# Altium PCB TIDA-010933-RevA.PcbDoc (part 3 of 9)
Units mm, origin at the board's own origin, x right, y up, seen from the top; angles counter-clockwise.
Board outline 230 x 230 mm, 4 copper layers (Top Layer, Layer 1, Layer 2, Bottom Layer), stack 1.637 mm thick; 776 components, 394 nets, 2295 pads, 2783 vias.
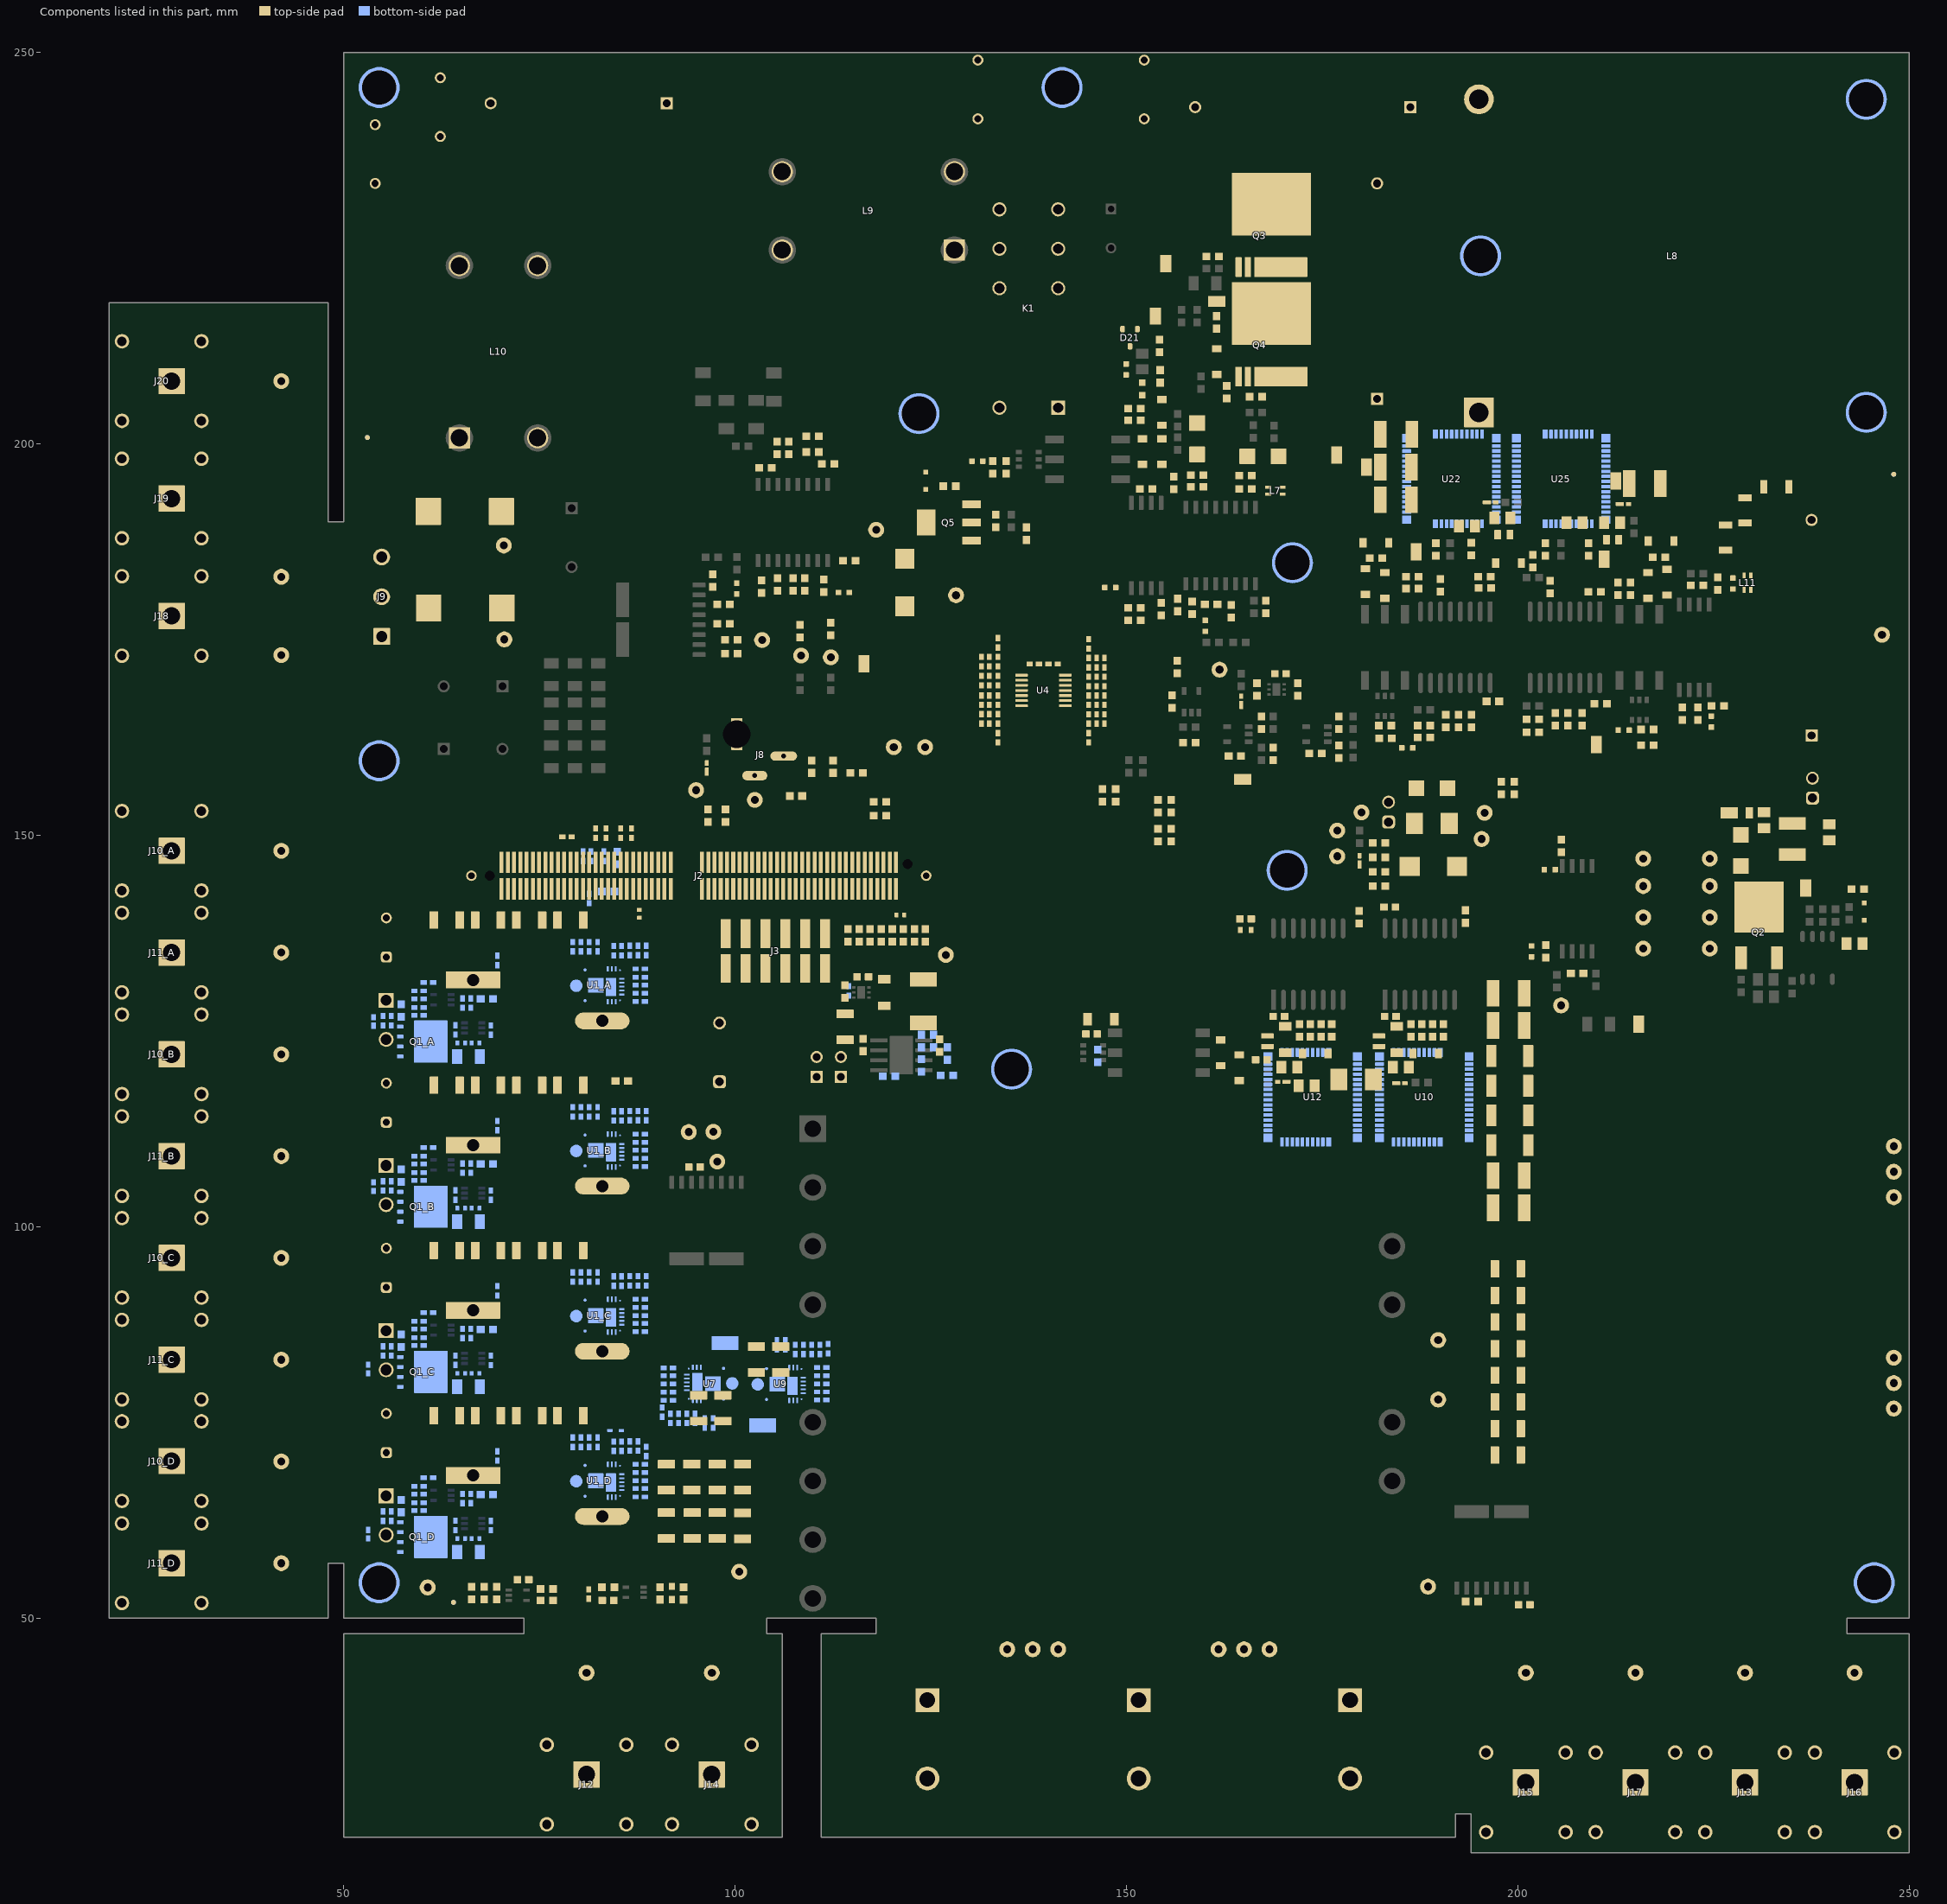
[diagram p5: the components of this part, seen from the top]

## Footprints (in the part's own frame and the unit in brackets; to place one, negate y for a bottom-side part, rotate by r counter-clockwise, add the part's x,y. Pads: shape width x height; smd on the part's side, far side on the other; paste and mask are expansions set on the pad) (continued)
Harwin_S2751-46R [mm] "Test Point, SMT"
  rect 2.2x1.4 smd: 1(0,0)
  body extent -1,-0.6 1,0.6, height 1.4
IEC_HighVoltage_Small [mm]
  silkscreen extent -56.07,-234.74 -50.64,-230.03
IEC_HotSurface_Small [mm]
  silkscreen extent -56.29,-234.87 -50.86,-230.16
Keystone5000 [mil] "For Keystone 500x miniature loop terminals"
  round 80 hole 40: 1(0,0)
  silkscreen extent -52,-52 52,52, body extent -49,-49 49,49, height 182
Keystone5001 [mil] "For Keystone 500x miniature loop terminals"
  round 80 hole 40: 1(0,0)
  silkscreen extent -52,-52 52,52, body extent -49,-49 49,49, height 182
Keystone5002 [mil] "For Keystone 500x miniature loop terminals"
  round 80 hole 40: 1(0,0)
  silkscreen extent -52,-52 52,52, body extent -49,-49 49,49, height 182
Keystone5003 [mil] "For Keystone 500x miniature loop terminals"
  round 80 hole 40: 1(0,0)
  silkscreen extent -52,-52 52,52, body extent -49,-49 49,49, height 182
Keystone5004 [mil] "For Keystone 500x miniature loop terminals"
  round 80 hole 40: 1(0,0)
  silkscreen extent -52,-52 52,52, body extent -49,-49 49,49, height 182
Label_650x200 [mil] "Thermal Transfer Label"
  round 1 on Mech13: 0(0,0)
  silkscreen extent -325,-100 325,100, body extent -325,-100 325,100, height 1
MMZ1608_095 [mm] "TDK"
  rect 0.6x0.8 smd: 1(-0.7,0) 2(0.7,0)
  silkscreen extent -0.15,-0.58 0.15,0.58, body extent -0.87,-0.47 0.87,0.47, height 0.95
MOLEX_0015912120 [mm] "MOLEX"
  rect 1.27x3.68 smd: 1(-6.35,-2.222) 2(-6.35,2.222) 3(-3.81,-2.222) 4(-3.81,2.222) 5(-1.27,-2.222) 6(-1.27,2.222) 7(1.27,-2.222) 8(1.27,2.222) 9(3.81,-2.222) 10(3.81,2.222) 11(6.35,-2.222) 12(6.35,2.222)
  silkscreen extent -7.95,-3.25 7.62,2.54, body extent -7.62,-3.49 7.62,3.49, height 9.65
Molex_0022284023 [mm] "Header, 2.54mm, 2x1, TH"
  rect 1.55x1.55 hole 1.02: 1(-1.27,0)
  round 1.55 hole 1.02: 2(1.27,0)
  silkscreen extent -2.54,-1.24 2.54,1.5, body extent -2.54,-1.24 2.54,1.24, height 8.4
PowerDI123 [mm] "Diodes Inc recommended land pattern, document number DS30628 Rev. 6-2"
  rect 2.2x1.4 smd: 1(-1.275,0)
  rect 0.9x1.4 smd: 2(1.275,0)
  silkscreen extent -3.1,-1.09 1.76,1.09, body extent -2.38,-0.97 1.52,0.96, height 1
PW0014A-MFG [mm]
  rrect29% 1.6x0.35 smd paste-1000 mask+0: 1(-2.8,1.95) 2(-2.8,1.3) 3(-2.8,0.65) 4(-2.8,0) 5(-2.8,-0.65) 6(-2.8,-1.3) 7(-2.8,-1.95) 8(2.8,-1.95) 9(2.8,-1.3) 10(2.8,-0.65) 11(2.8,0) 12(2.8,0.65) 13(2.8,1.3) 14(2.8,1.95)
  silkscreen extent -4.33,-2.55 2.25,2.55, body extent -3.17,-2.5 3.23,2.5, height 1.2
Relay_RTD14005F [mm] "TH, 8-Leads, Body 29x12.7mm, Pinning 5mm"
  round 1.8 hole 1.3: 5(-3.75,-3.36) 6(-3.75,-8.4) 7(-3.75,-13.44) 11(3.75,-8.4) 12(3.75,-3.36) 14(3.75,-13.44) A2(3.75,11.9)
  rect 1.8x1.8 hole 1.3: A1(-3.75,11.9)
  silkscreen extent -7,-14.75 6.35,14.25, body extent -6.35,-14.75 6.35,14.25, height 15.71
RQS0052C-C01-MFG [mm]
  rrect9% 1.15x1.1 smd paste+0 mask+0: 1(-5.725,5.2) 16(-5.725,-5.2) 27(5.725,-5.2) 42(5.725,5.2)
  rrect22% 1.15x0.45 smd paste+0 mask+0: 2(-5.725,4.225) 3(-5.725,3.575) 4(-5.725,2.925) 5(-5.725,2.275) 6(-5.725,1.625) 7(-5.725,0.975) 8(-5.725,0.325) 9(-5.725,-0.325) 10(-5.725,-0.975) 11(-5.725,-1.625) 12(-5.725,-2.275) 13(-5.725,-2.925) 14(-5.725,-3.575) 15(-5.725,-4.225) 28(5.725,-4.225) 29(5.725,-3.575) 30(5.725,-2.925) 31(5.725,-2.275) 32(5.725,-1.625) 33(5.725,-0.975) 34(5.725,-0.325) 35(5.725,0.325) 36(5.725,0.975) 37(5.725,1.625) 38(5.725,2.275) 39(5.725,2.925) 40(5.725,3.575) 41(5.725,4.225)
  rrect15% 0.665x1.15 smd paste+0 mask+0: 17(-2.043,-5.725) 52(-2.043,5.725)
  rrect22% 0.45x1.15 smd paste+0 mask+0: 18(-1.285,-5.725) 19(-0.635,-5.725) 20(0.015,-5.725) 21(0.665,-5.725) 22(1.315,-5.725) 23(1.965,-5.725) 24(2.615,-5.725) 25(3.265,-5.725) 26(3.915,-5.725) 43(3.915,5.725) 44(3.265,5.725) 45(2.615,5.725) 46(1.965,5.725) 47(1.315,5.725) 48(0.665,5.725) 49(0.015,5.725) 50(-0.635,5.725) 51(-1.285,5.725)
  silkscreen extent -7.02,-6.05 4.77,6.05, body extent -6,-6 6,6, height 1
SMA [mm] "Molded Diode, 2-Leads, Body 4.3x2.6mm, IPC Medium Density, based on OnSemi component dimensions and land pattern"
  rect 2x2 smd: 1(-2,0) 2(2,0)
  silkscreen extent -3.66,-1.57 2.79,1.57, body extent -2.6,-1.3 2.6,1.3, height 2.42
SMB [mm] "Molded Diode, 2-Leads, Body 5.4x3.6mm, IPC Medium Density, based on OnSemi component dimensions"
  rect 2.159x2.743 smd: 1(-2.21,0) 2(2.21,0)
  silkscreen extent -3.94,-2.08 3.18,2.08, body extent -2.7,-1.8 2.7,1.8, height 2.32
SOD-123 [mm] "On Semi recommended land pattern"
  rect 0.915x1.22 smd: 1(-1.637,0) 2(1.637,0)
  silkscreen extent -2.75,-1.08 2.03,1.17, body extent -1.93,-0.9 1.93,0.9, height 1.35
SOD-123FL [mm] "Copied from SOD-123"
  rect 0.915x1.22 smd: 1(-1.637,0) 2(1.637,0)
  silkscreen extent -2.74,-1.16 1.68,1.16, body extent -1.9,-0.9 1.9,0.9, height 1
SOD-323 [mm] "NXP recommended land pattern"
  rect 0.6x0.6 smd paste-0.05: 1(-1.1,0) 2(1.1,0)
  silkscreen extent -2.06,-0.86 1.53,0.86, body extent -1.3,-0.67 1.3,0.68, height 1.1
SOD-523 [mm] "NXP Semiconductor recommended land pattern, nominal STEP model"
  rect 0.8x0.6 smd paste-0.05: 1(-0.55,0) 2(0.55,0)
  silkscreen extent -1.65,-0.66 1.2,0.66, body extent -0.8,-0.4 0.8,0.4, height 0.72
SOT-23L [mm] "SOT23, 3-Leads, Body 2.9x1.3mm, Pitch 0.95mm, Lead Span 2.5mm, IPC High Density"
  rrect50% 0.8x0.6 smd: 1(-1.1,0.95) 2(-1.1,-0.95) 3(1.1,0)
  silkscreen extent -1.5,-1.5 0.7,1.5, body extent -1.16,-1.45 1.21,1.45, height 1
SOT-223 [mm] "SOT223/SC73, 4-Leads, Body 6.5x3.5mm, Pitch 2.3mm, Lead Span 7mm, IPC Medium Density"
  rrect10% 2.4x1 smd: 1(-2.9,2.3) 2(-2.9,0) 3(-2.9,-2.3)
  rrect4% 2.4x3.3 smd: 4(2.9,0)
  silkscreen extent -3.32,-3.35 1.4,3.35, body extent -3.5,-3.25 3.5,3.25, height 1.62
SRF2012A [mm] "BOURNS"
  rect 0.75x0.4 smd: 1(-0.925,0.425) 2(0.925,0.425) 3(0.925,-0.425) 4(-0.925,-0.425)
  silkscreen extent -1.43,-0.75 0.3,1.05, body extent -1.1,-0.7 1.1,0.7, height 1.41
SRP6540 [mm] "Bourns"
  rect 1.85x3.4 smd: 1(-2.775,0) 2(2.775,0)
  silkscreen extent -3.8,-3.4 3.8,3.4, body extent -3.75,-3.35 3.75,3.35, height 4
TE_282856-2 [mm] "TH, 2-Leads, Body 10x10mm, Pitch 5mm"
  rect 1.9x1.9 hole 1.4: 1(-2.5,0)
  round 1.9 hole 1.4: 2(2.5,0)
  silkscreen extent -5.61,-5 5.5,5, body extent -5,-5 5.5,5, height 19
Testpoint_Keystone_Miniature [mil] "Miniature SMT test point"
  rect 135x70 smd: 1(0,0)
  silkscreen extent -78,-46 78,45, body extent -52,-20 52,20, height 61
TNPV1206 [mm] "VISHAY"
  rrect11% 0.9x1.7 smd: 1(-1.6,0) 2(1.6,0)
  silkscreen extent -2.4,-1.2 2.4,1.2, body extent -1.67,-0.87 1.67,0.87, height 0.65
VBN0016A-MFG [mm]
  round 0.228 smd paste+0 mask+0: 1(-1.925,3.125) 11(1.925,3.125)
  rrect40% 0.7x0.25 smd paste+0 mask+0: 2(-2.1,2.575) 3(-2.1,2.075) 4(-2.1,1.575) 8(2.1,1.575) 9(2.1,2.075) 10(2.1,2.575)
  round 0.394 smd paste+0 mask+0: 5(-1.969,-1.335) 7(1.969,-1.335)
  rrect8% 2.35x1.33 smd paste-1000 mask+0: 6(-0.225,1.985)
  round 1.603 smd paste-1000 mask+0: 6(-0.059,-2.453)
  rrect5% 1.9x1.976 smd paste-1000 mask+0: 6(0,0.032)
  rrect40% 0.25x0.7 smd paste+0 mask+0: 12(0.825,3.35) 13(0.325,3.35) 14(-0.175,3.35) 15(-0.675,3.35) 16(-1.175,3.35)
  Top Layer region: -2.4,2.95 -2.419,2.954 -2.435,2.965 -2.446,2.981 -2.45,3 -2.45,3 -2.45,3.15 -2.443,3.175 -2.425,3.193 -2.4,3.2 -2.4,3.2 -2.05,3.2 -2.031,3.204 -2.015,3.215 -2.004,3.231 -2,3.25 -2,3.25 -2,3.65 -1.993,3.675 -1.975,3.693 -1.95,3.7 -1.95,3.7 -1.8,3.7 -1.781,3.696 -1.765,3.685 -1.754,3.669 -1.75,3.65 -1.75,3.65 -1.75,3 -1.754,2.981 -1.765,2.965 -1.781,2.954 -1.8,2.95 -1.8,2.95
  Top Layer region: 2.4,2.95 2.419,2.954 2.435,2.965 2.446,2.981 2.45,3 2.45,3 2.45,3.15 2.446,3.169 2.435,3.185 2.419,3.196 2.4,3.2 2.4,3.2 2.05,3.2 2.025,3.207 2.007,3.225 2,3.25 2,3.25 2,3.65 1.996,3.669 1.985,3.685 1.969,3.696 1.95,3.7 1.95,3.7 1.8,3.7 1.781,3.696 1.765,3.685 1.754,3.669 1.75,3.65 1.75,3.65 1.75,3 1.754,2.981 1.765,2.965 1.781,2.954 1.8,2.95 1.8,2.95
  Top Layer region: -0.55,-3.65 -0.554,-3.669 -0.565,-3.685 -0.581,-3.696 -0.6,-3.7 -0.6,-3.7 -0.75,-3.7 -0.775,-3.693 -0.793,-3.675 -0.8,-3.65 -0.8,-3.65 -0.8,-3.425 -0.804,-3.406 -0.815,-3.39 -0.831,-3.379 -0.85,-3.375 -0.85,-3.375 -0.9,-3.375 -0.925,-3.368 -0.943,-3.35 -0.95,-3.325 -0.95,-3.325 -0.95,-1.506 -0.943,-1.481 -0.925,-1.463 -0.9,-1.456 -0.9,-1.456 0.9,-1.456 0.919,-1.46 0.935,-1.471 0.946,-1.487 0.95,-1.506 0.95,-1.506 0.95,-3.325 0.943,-3.35 0.925,-3.368 0.9,-3.375 0.9,-3.375 0.5,-3.375 0.481,-3.379 0.465,-3.39 0.454,-3.406 0.45,-3.425 0.45,-3.425 0.45,-3.65 0.443,-3.675 0.425,-3.693 0.4,-3.7 0.4,-3.7 0.25,-3.7 0.231,-3.696 0.215,-3.685 0.204,-3.669 0.2,-3.65 0.2,-3.65 0.2,-3.425 0.196,-3.406 0.185,-3.39 0.169,-3.379 0.15,-3.375 0.15,-3.375 0,-3.375 -0.019,-3.379 -0.035,-3.39 -0.046,-3.406 -0.05,-3.425 -0.05,-3.425 -0.05,-3.65 -0.054,-3.669 -0.065,-3.685 -0.081,-3.696 -0.1,-3.7 -0.1,-3.7 -0.25,-3.7 -0.275,-3.693 -0.293,-3.675 -0.3,-3.65 -0.3,-3.65 -0.3,-3.425 -0.304,-3.406 -0.315,-3.39 -0.331,-3.379 -0.35,-3.375 -0.35,-3.375 -0.5,-3.375 -0.519,-3.379 -0.535,-3.39 -0.546,-3.406 -0.55,-3.425 -0.55,-3.425
  Top Layer region: -2.075,0.542 -2.1,0.535 -2.118,0.517 -2.125,0.492 -2.125,0.492 -2.125,0.338 -2.129,0.319 -2.14,0.303 -2.156,0.292 -2.175,0.288 -2.175,0.288 -2.4,0.288 -2.425,0.281 -2.443,0.263 -2.45,0.238 -2.45,0.238 -2.45,0.088 -2.443,0.063 -2.425,0.045 -2.4,0.038 -2.4,0.038 -2.175,0.038 -2.15,0.031 -2.132,0.013 -2.125,-0.012 -2.125,-0.012 -2.125,-0.162 -2.132,-0.187 -2.15,-0.205 -2.175,-0.212 -2.175,-0.212 -2.4,-0.212 -2.419,-0.216 -2.435,-0.227 -2.446,-0.243 -2.45,-0.262 -2.45,-0.262 -2.45,-0.412 -2.443,-0.437 -2.425,-0.455 -2.4,-0.462 -2.4,-0.462 -2.175,-0.462 -2.156,-0.466 -2.14,-0.477 -2.129,-0.493 -2.125,-0.512 -2.125,-0.512 -2.125,-0.662 -2.129,-0.681 -2.14,-0.697 -2.156,-0.708 -2.175,-0.712 -2.175,-0.712 -2.4,-0.712 -2.419,-0.716 -2.435,-0.727 -2.446,-0.743 -2.45,-0.762 -2.45,-0.762 -2.45,-0.912 -2.443,-0.937 -2.425,-0.955 -2.4,-0.962 -2.4,-0.962 -2.175,-0.962 -2.156,-0.966 -2.14,-0.977 -2.129,-0.993 -2.125,-1.012 -2.125,-1.012 -2.125,-1.162 -2.129,-1.181 -2.14,-1.197 -2.156,-1.208 -2.175,-1.212 -2.175,-1.212 -2.4,-1.212 -2.419,-1.216 -2.435,-1.227 -2.446,-1.243 -2.45,-1.262 -2.45,-1.262 -2.45,-1.412 -2.443,-1.437 -2.425,-1.455 -2.4,-1.462 -2.4,-1.462 -2.175,-1.462 -2.156,-1.466 -2.14,-1.477 -2.129,-1.493 -2.125,-1.512 -2.125,-1.512 -2.125,-1.662 -2.129,-1.681 -2.14,-1.697 -2.156,-1.708 -2.175,-1.712 -2.175,-1.712 -2.4,-1.712 -2.419,-1.716 -2.435,-1.727 -2.446,-1.743 -2.45,-1.762 -2.45,-1.762 -2.45,-1.912 -2.443,-1.937 -2.425,-1.955 -2.4,-1.962 -2.4,-1.962 -2.175,-1.962 -2.156,-1.966 -2.14,-1.977 -2.129,-1.993 -2.125,-2.012 -2.125,-2.012 -2.125,-2.162 -2.129,-2.181 -2.14,-2.197 -2.156,-2.208 -2.175,-2.212 -2.175,-2.212 -2.4,-2.212 -2.419,-2.216 -2.435,-2.227 -2.446,-2.243 -2.45,-2.262 -2.45,-2.262 -2.45,-2.412 -2.443,-2.437 -2.425,-2.455 -2.4,-2.462 -2.4,-2.462 -2.175,-2.462 -2.156,-2.466 -2.14,-2.477 -2.129,-2.493 -2.125,-2.512 -2.125,-2.512 -2.125,-2.662 -2.129,-2.681 -2.14,-2.697 -2.156,-2.708 -2.175,-2.712 -2.175,-2.712 -2.4,-2.712 -2.419,-2.716 -2.435,-2.727 -2.446,-2.743 -2.45,-2.762 -2.45,-2.762 -2.45,-2.912 -2.443,-2.937 -2.425,-2.955 -2.4,-2.962 -2.4,-2.962 -2.175,-2.962 -2.156,-2.966 -2.14,-2.977 -2.129,-2.993 -2.125,-3.012 -2.125,-3.012 -2.125,-3.166 -2.118,-3.191 -2.1,-3.209 -2.075,-3.216 -2.075,-3.216 -1.8,-3.216 -1.781,-3.212 -1.765,-3.201 -1.754,-3.185 -1.75,-3.166 -1.75,-3.166 -1.75,0.492 -1.754,0.511 -1.765,0.527 -1.781,0.538 -1.8,0.542 -1.8,0.542
  Top Layer region: 2.075,0.542 2.094,0.538 2.11,0.527 2.121,0.511 2.125,0.492 2.125,0.492 2.125,0.338 2.129,0.319 2.14,0.303 2.156,0.292 2.175,0.288 2.175,0.288 2.4,0.288 2.419,0.284 2.435,0.273 2.446,0.257 2.45,0.238 2.45,0.238 2.45,0.088 2.443,0.063 2.425,0.045 2.4,0.038 2.4,0.038 2.175,0.038 2.156,0.034 2.14,0.023 2.129,0.007 2.125,-0.012 2.125,-0.012 2.125,-0.162 2.132,-0.187 2.15,-0.205 2.175,-0.212 2.175,-0.212 2.4,-0.212 2.425,-0.219 2.443,-0.237 2.45,-0.262 2.45,-0.262 2.45,-0.412 2.446,-0.431 2.435,-0.447 2.419,-0.458 2.4,-0.462 2.4,-0.462 2.175,-0.462 2.156,-0.466 2.14,-0.477 2.129,-0.493 2.125,-0.512 2.125,-0.512 2.125,-0.662 2.129,-0.681 2.14,-0.697 2.156,-0.708 2.175,-0.712 2.175,-0.712 2.4,-0.712 2.419,-0.716 2.435,-0.727 2.446,-0.743 2.45,-0.762 2.45,-0.762 2.45,-0.912 2.446,-0.931 2.435,-0.947 2.419,-0.958 2.4,-0.962 2.4,-0.962 2.175,-0.962 2.156,-0.966 2.14,-0.977 2.129,-0.993 2.125,-1.012 2.125,-1.012 2.125,-1.162 2.129,-1.181 2.14,-1.197 2.156,-1.208 2.175,-1.212 2.175,-1.212 2.4,-1.212 2.419,-1.216 2.435,-1.227 2.446,-1.243 2.45,-1.262 2.45,-1.262 2.45,-1.412 2.446,-1.431 2.435,-1.447 2.419,-1.458 2.4,-1.462 2.4,-1.462 2.175,-1.462 2.156,-1.466 2.14,-1.477 2.129,-1.493 2.125,-1.512 2.125,-1.512 2.125,-1.662 2.129,-1.681 2.14,-1.697 2.156,-1.708 2.175,-1.712 2.175,-1.712 2.4,-1.712 2.419,-1.716 2.435,-1.727 2.446,-1.743 2.45,-1.762 2.45,-1.762 2.45,-1.912 2.446,-1.931 2.435,-1.947 2.419,-1.958 2.4,-1.962 2.4,-1.962 2.175,-1.962 2.156,-1.966 2.14,-1.977 2.129,-1.993 2.125,-2.012 2.125,-2.012 2.125,-2.162 2.129,-2.181 2.14,-2.197 2.156,-2.208 2.175,-2.212 2.175,-2.212 2.4,-2.212 2.419,-2.216 2.435,-2.227 2.446,-2.243 2.45,-2.262 2.45,-2.262 2.45,-2.412 2.446,-2.431 2.435,-2.447 2.419,-2.458 2.4,-2.462 2.4,-2.462 2.175,-2.462 2.156,-2.466 2.14,-2.477 2.129,-2.493 2.125,-2.512 2.125,-2.512 2.125,-2.662 2.129,-2.681 2.14,-2.697 2.156,-2.708 2.175,-2.712 2.175,-2.712 2.4,-2.712 2.419,-2.716 2.435,-2.727 2.446,-2.743 2.45,-2.762 2.45,-2.762 2.45,-2.912 2.446,-2.931 2.435,-2.947 2.419,-2.958 2.4,-2.962 2.4,-2.962 2.175,-2.962 2.156,-2.966 2.14,-2.977 2.129,-2.993 2.125,-3.012 2.125,-3.012 2.125,-3.166 2.121,-3.185 2.11,-3.201 2.094,-3.212 2.075,-3.216 2.075,-3.216 1.8,-3.216 1.775,-3.209 1.757,-3.191 1.75,-3.166 1.75,-3.166 1.75,0.492 1.754,0.511 1.765,0.527 1.781,0.538 1.8,0.542 1.8,0.542
  silkscreen extent -3.12,-3.88 2.63,3.88, body extent -2.25,-3.5 2.25,3.5, height 0.85
WCAP-ATLI_D10H16 [mm] "Aluminum Electrolytic Capacitors, 10x16mm"
  rrect50% 1.4x1.4 hole 0.9: 1(2.5,0)
  round 1.4 hole 0.9: 2(-2.5,0)
  silkscreen extent -5.25,-5.25 5.25,5.25, body extent -4.99,-5 5,5, height 16.31
WCAP-ATUL_D16H25 [mm] "Aluminum Electrolytic Capacitors, 16x25mm"
  rrect50% 1.65x1.65 hole 1.1: 1(3.75,0)
  round 1.65 hole 1.1: 2(-3.75,0)
  silkscreen extent -8.25,-8.25 8.25,8.25, body extent -7.99,-8 8,8, height 25.31
WE-LQS_2010 [mm] "SMD, 2-Leads, Body 2x1.6mm"
  rrect12% 0.85x1.2 smd: 1(-0.775,0) 2(0.775,0)
  body extent -1,-0.82 1,0.8, height 0.98
WEEE_Minimum [mm] "WEEElie bin"
  silkscreen extent -56.14,-236.87 -51.19,-229.85
WURTH_61300211121 [mm] "Header, 2.54mm, 2x1, TH"
  rrect50% 1.65x1.65 hole 1.15: 1(-1.27,0)
  round 1.65 hole 1.15: 2(1.27,0)
  body extent -2.54,-1.27 2.54,1.27, height 8.54

## Part data
C1 C6_A C6_B C6_C C6_D C7_A C7_B C7_C C7_D C15_A C15_B C15_C C15_D C19_A C19_B C19_C C19_D C23 C24 C47 C73 C110: library part CMP-0006659-2, "CAP, CERM, 0.1 uF, 25 V, +/- 10%, X7R, 0402", Cap_Case=0402, Manufacturer=MuRata, Supplier Part Number 1=490-10698-1-ND, TempCo=X7R, Tolerance_%=10%, Value1=Unknown, Value2=25V, ValueDisplayed=0.1uF, AEC Category=Q200, AEC Grade=N/A, AEC Qualified=N, Cap_F=100nF, ComponentLink1Description="Datasheet link", ComponentLink1URL=http://search.murata.co.jp/Ceramy/image/img/A01X/G101/ENG/GRM155R71E104KE14-01.pdf, CompType=Capacitor, LatestRevisionDate=2017-03-09, MountType=SMT, PackageReference=0402, PartNumber=GRM155R71E104KE14D, Polarized=N, Published=2008-06-19, Publisher="Texas Instruments", RoHS=Y, SizeArea_mm2=0.5, SizeAreaWB_mm2=3, SizeX_mm=1, SizeY_mm=0.5, SizeZ_mm=0.6, Supplier 1=Digi-Key, Supplier 2=Newark, Supplier 3=Mouser, Supplier Part Number 2=31Y1751, Supplier Part Number 3=81-GRM155R71E104KE4D, TaMax_C=125°C, TaMin_C=-55°C, Technology=Ceramic, U/M=EA, VDC_V=25V
C2_A C2_B C2_C C2_D C3_A C3_B C3_C C3_D C8_A C8_B C8_C C8_D C9_A C9_B C9_C C9_D C39 C40 C57 C58: library part CMP-0096021-1, "10 µF ±10% 100V Ceramic Capacitor X7R 1210 (3225 Metric)", Digikey Part Number=445-C3225X7R2A106K250ACCT-ND, Manufacturer=TDK, Mouser Part Number=810-C3225X7R2A106K25, Operating Temperature Range="-55°C to +125°C", TempCo=15%, Temperature Characteristic=X7R, Tolerance_%=10%, ValueDisplayed=10uF, AEC Qualified=No, Cap_F=10µF, ComponentLink1Description=Datasheet, ComponentLink1URL=https://product.tdk.com/en/search/capacitor/ceramic/mlcc/info?part_no=C3225X7R2A106K250AC, datasheet=https://product.tdk.com/en/search/capacitor/ceramic/mlcc/info?part_no=C3225X7R2A106K250AC, Datasheet Path=datasheets/Cap-C3225X7R2A106K250AC.pdf, Digikey Description="COMMERCIAL GRADE GENERAL PURPOSE", helpURL=https://upverter.com/upn/revision/84742aafcccd6735/, Lead Free=Yes, Mouser Description="Multilayer Ceramic Chip Capacitors, Capacitance=10µF, LxWxT: 3.2x2.5x2.5mm", PackageReference=1210, Part Number=C3225X7R2A106K250AC, PartNumber=C3225X7R2A106K250AC, RoHS=TRUE, SizeZ_mm=2.85mm, Supplier 1=Digikey, Supplier 2=Mouser, Supplier Part Number 1=445-C3225X7R2A106K250ACCT-ND, Supplier Part Number 2=810-C3225X7R2A106K25, VDC_V=100V
C4_A C4_B C4_C C4_D C11_A C11_B C11_C C11_D C12_A C12_B C12_C C12_D C13_A C13_B C13_C C13_D C14_A C14_B C14_C C14_D C41 C42 C59 C60: library part CMP-0006618-2, "CAP, CERM, 0.1 uF, 100 V, +/- 10%, X5R, 0402", Cap_Case=0402, Manufacturer=MuRata, Supplier Part Number 1=490-10458-1-ND, TempCo=X5R, Tolerance_%=10%, Value1=Unknown, Value2=100V, ValueDisplayed=0.1uF, AEC Category=Q200, AEC Grade=N/A, AEC Qualified=N, Cap_F=100nF, ComponentLink1Description="Datasheet link", ComponentLink1URL=http://psearch.en.murata.com/capacitor/product/GRM155R62A104KE14%23.pdf, CompType=Capacitor, LatestRevisionDate=2017-03-09, MountType=SMT, PackageReference=0402, PartNumber=GRM155R62A104KE14D, Polarized=N, Published=2008-06-19, Publisher="Texas Instruments", RoHS=Y, SizeArea_mm2=0.5, SizeAreaWB_mm2=3, SizeX_mm=1, SizeY_mm=0.5, SizeZ_mm=0.6, Supplier 1=Digi-Key, Supplier 2=Newark, Supplier 3=Mouser, Supplier Part Number 2=96Y9228, Supplier Part Number 3=81-GRM155R62A104KE4D, TaMax_C=85°C, TaMin_C=-55°C, Technology=Ceramic, U/M=EA, VDC_V=100V
C5_A C5_B C5_C C5_D: library part CMP-0109909-1, "WCAP-ATLI Aluminum Electrolytic Capacitor, Radial, THT, D10 x H16mm, 150µF, 63V", Capacitance Tolerance=+/-20%, Leakage Current=94.5uA, Manufacturer="Wurth Elektronik", Operating Temperature Max=105°C, Operating Temperature Min=-55°C, Rated Voltage (DC)=63V, Ripple Current=900mA, Cap_F=150µF, Category="Aluminum Electrolytic Capacitors", ComponentLink1Description="Website Link", ComponentLink1URL=https://www.we-online.com/redexpert/article/860080775016?ad, ComponentLink2Description="Datasheet Link", ComponentLink2URL=https://www.we-online.com/redexpert/spec/860080775016?ad, Design Item ID=860080775016, Diameter=10mm, Dissipation Factor=8%, Endurance=5000h, Height=16mm, Manufacturer Part Number=860080775016, Match Code=WCAP-ATLI, Mount="Through Hole", Packaging="Ammo Pack", Source=Capacitors.SchLib, Technical Reference=ATEF160151M063DSPAAE000
C10_A C10_B C10_C C10_D C46 C72: library part CMP-0006608-2, "CAP, CERM, 1 uF, 25 V, +/- 10%, X5R, 0402", Cap_Case=0402, Manufacturer=MuRata, Supplier Part Number 1=490-10017-1-ND, TempCo=X5R, Tolerance_%=10%, Value1=Unknown, Value2=25V, ValueDisplayed=1uF, AEC Category=Q200, AEC Qualified=?, Cap_F=1µF, ComponentLink1Description="Datasheet link", ComponentLink1URL=http://psearch.murata.com/capacitor/product/GRM155R61E105KA12%23.pdf, CompType=Capacitor, LatestRevisionDate=2017-03-09, MountType=SMT, PackageReference=0402, PartNumber=GRM155R61E105KA12D, Polarized=N, Published=2008-06-19, Publisher="Texas Instruments", RoHS=Y, SizeArea_mm2=0.5, SizeAreaWB_mm2=3, SizeX_mm=1, SizeY_mm=0.5, SizeZ_mm=0.6, Supplier 1=Digi-Key, Supplier 2=Newark, Supplier 3=Mouser, Supplier Part Number 2=48W5730, Supplier Part Number 3=81-GRM155R61E105KA2D, TaMax_C=85°C, TaMin_C=-55°C, Technology=Ceramic, U/M=EA, VDC_V=25V
C16_A C16_B C16_C C16_D C22_A C22_B C22_C C22_D: library part CMP-0006412-2, "CAP, CERM, 1000 pF, 50 V, +/- 5%, C0G/NP0, 0402", Cap_Case=0402, Manufacturer=MuRata, Supplier Part Number 1=490-3244-1-ND, TempCo=C0G/NP0, Tolerance_%=5%, Value1=Unknown, Value2=50V, ValueDisplayed=1000pF, AEC Category=Q200, AEC Qualified=?, Cap_F=1nF, ComponentLink1Description="Datasheet link", ComponentLink1URL=http://search.murata.co.jp/Ceramy/PnsearchViewAction.do?HnOFG=ON&HnNFG=ON&SEL_CNT=50&sLang=en&sKey=GRM1555C1H102JA01D&x=9&y=9&search=startwith, CompType=Capacitor, LatestRevisionDate=2017-03-09, MountType=SMT, PackageReference=0402, PartNumber=GRM1555C1H102JA01D, Polarized=N, Published=2008-06-19, Publisher="Texas Instruments", RoHS=Y, SizeArea_mm2=0.5, SizeAreaWB_mm2=3, SizeX_mm=1, SizeY_mm=0.5, SizeZ_mm=0.6, Supplier 1=Digi-Key, Supplier 2=Mouser, Supplier 3=Farnell, Supplier Part Number 2=81-GRM1555C1H102JA1D, Supplier Part Number 3=8819556, TaMax_C=125°C, TaMin_C=-55°C, Technology=Ceramic, U/M=EA, VDC_V=50V
C17_A C17_B C17_C C17_D C21_A C21_B C21_C C21_D C26 C29 C32 C35 C37 C38 C53: library part CMP-0006453-2, "CAP, CERM, 300 pF, 50 V, +/- 5%, C0G/NP0, 0402", Cap_Case=0402, Manufacturer=MuRata, Supplier Part Number 1=490-3234-1-ND, TempCo=C0G/NP0, Tolerance_%=5%, Value1=Unknown, Value2=50V, ValueDisplayed=300pF, AEC Category=Q200, AEC Qualified=?, Cap_F=300pF, ComponentLink1Description="Datasheet link", ComponentLink1URL=http://search.murata.co.jp/Ceramy/PnsearchViewAction.do?HnOFG=ON&HnNFG=ON&SEL_CNT=50&sLang=en&sKey=GRM1555C1H301JA01D&x=9&y=9&search=startwith, CompType=Capacitor, LatestRevisionDate=2017-03-09, MountType=SMT, PackageReference=0402, PartNumber=GRM1555C1H301JA01D, Polarized=N, Published=2008-06-19, Publisher="Texas Instruments", RoHS=Y, SizeArea_mm2=0.5, SizeAreaWB_mm2=3, SizeX_mm=1, SizeY_mm=0.5, SizeZ_mm=0.6, Supplier 1=Digi-Key, Supplier 2=Mouser, Supplier Part Number 2=81-GRM1555C1H301JA1D, TaMax_C=125°C, TaMin_C=-55°C, Technology=Ceramic, U/M=EA, VDC_V=50V
C18_A C18_B C18_C C18_D C20_A C20_B C20_C C20_D C54 C55 C77 C79: library part CMP-0860553-1, "CAP, CERM, 22 pF, 50 V,+/- 5%, C0G/NP0, 0402", Cap_Case=0402, Manufacturer=Yageo, TempCo=C0G/NP0, Tolerance_%=5%, Value2=50V, ValueDisplayed=22pF, AEC Category=Q200, AEC Grade=N/A, AEC Qualified=N, Cap_F=22pF, ComponentLink1Description="Datasheet link", ComponentLink1URL=http://www.yageo.com/documents/recent/UPY-GPHC_X7R_6.3V-to-50V_18.pdf, CompType=Capacitor, MountType=SMT, PackageReference=0402, PartNumber=CC0402JRNPO9BN220, Polarized=N, RoHS=Y, SizeArea_mm2=0.5, SizeAreaWB_mm2=3, SizeX_mm=1, SizeY_mm=0.5, SizeZ_mm=0.6, TaMax_C=125°C, TaMin_C=-55°C, Technology=Ceramic, U/M=EA, VDC_V=50V
C25 C27 C34 C36: library part CMP-0006437-2, "CAP, CERM, 200 pF, 50 V, +/- 5%, C0G/NP0, 0402", Cap_Case=0402, Manufacturer=MuRata, Supplier Part Number 1=490-3232-1-ND, TempCo=C0G/NP0, Tolerance_%=5%, Value1=Unknown, Value2=50V, ValueDisplayed=200pF, AEC Category=Q200, AEC Qualified=?, Cap_F=200pF, ComponentLink1Description="Datasheet link", ComponentLink1URL=http://search.murata.co.jp/Ceramy/PnsearchViewAction.do?HnOFG=ON&HnNFG=ON&SEL_CNT=50&sLang=en&sKey=GRM1555C1H201JA01D&x=9&y=9&search=startwith, CompType=Capacitor, LatestRevisionDate=2017-03-09, MountType=SMT, PackageReference=0402, PartNumber=GRM1555C1H201JA01D, Polarized=N, Published=2008-06-19, Publisher="Texas Instruments", RoHS=Y, SizeArea_mm2=0.5, SizeAreaWB_mm2=3, SizeX_mm=1, SizeY_mm=0.5, SizeZ_mm=0.6, Supplier 1=Digi-Key, Supplier 2=Mouser, Supplier Part Number 2=81-GRM1555C1H201JA1D, TaMax_C=125°C, TaMin_C=-55°C, Technology=Ceramic, U/M=EA, VDC_V=50V
C28 C30 C31 C33: library part CMP-0006411-2, "CAP, CERM, 1000 pF, 50 V, +/- 1%, C0G/NP0, 0402", Cap_Case=0402, Manufacturer=MuRata, Supplier Part Number 1=490-6189-1-ND, TempCo=C0G/NP0, Tolerance_%=1%, Value1=Unknown, Value2=50V, ValueDisplayed=1000pF, AEC Category=Q200, AEC Grade=N/A, AEC Qualified=N, Cap_F=1nF, ComponentLink1Description="Datasheet link", ComponentLink1URL=http://search.murata.co.jp/Ceramy/image/img/A01X/G101/ENG/GRM1555C1H102FA01-01.pdf, CompType=Capacitor, LatestRevisionDate=2017-03-09, MountType=SMT, PackageReference=0402, PartNumber=GRM1555C1H102FA01D, Polarized=N, Published=2008-06-19, Publisher="Texas Instruments", RoHS=Y, SizeArea_mm2=0.5, SizeAreaWB_mm2=3, SizeX_mm=1, SizeY_mm=0.5, SizeZ_mm=0.6, Supplier 1=Digi-Key, Supplier 2=Newark, Supplier 3=Mouser, Supplier Part Number 2=45Y5213, Supplier Part Number 3=81-GRM1555C1H102FA1D, TaMax_C=125°C, TaMin_C=-55°C, Technology=Ceramic, U/M=EA, VDC_V=50V
C43 C44 C45 C82 C87 C98 C99 C104 C108 C112 C114 C120: library part CMP-0087079-2, "CAP CER 0.1UF 50V X7R 0603", Manufacturer=Samsung, TempCo=15%, Tolerance_%=10%, AEC Qualified=No, Cap_F=100nF, ComponentLink1Description=Datasheet, ComponentLink1URL=http://www.samsungsem.com/kr/support/product-search/mlcc/__icsFiles/afieldfile/2018/07/24/CL10B104KB8NNNC.pdf, PackageReference=0603, PartNumber=CL10B104KB8NNNC, RoHS=TRUE, SizeZ_mm=0.9mm, Symbol Name=SYM-CL10B104KB8NNNC, VDC_V=50V
C48 C111: library part CMP-0860530-1, "CAP, CERM, 1000 pF, 25 V,+/- 5%, C0G/NP0, 0603", Cap_Case=0603, Manufacturer=Yageo, TempCo=C0G/NP0, Tolerance_%=5%, Value2=25V, ValueDisplayed=1000pF, AEC Category=Q200, AEC Grade=N/A, AEC Qualified=N, Cap_F=1nF, ComponentLink1Description="Datasheet link", ComponentLink1URL=http://www.yageo.com/documents/recent/UPY-GP_NP0_16V-to-50V_16.pdf, CompType=Capacitor, MountType=SMT, PackageReference=0603, PartNumber=CC0603JRNPO8BN102, Polarized=N, RoHS=Y, SizeArea_mm2=1.28, SizeAreaWB_mm2=4.68, SizeX_mm=1.6, SizeY_mm=0.8, SizeZ_mm=1, TaMax_C=125°C, TaMin_C=-55°C, Technology=Ceramic, U/M=EA, VDC_V=25V
C49 C50 C51 C52: library part CMP-0009298-2, "CAP, CERM, 0.47 uF, 500 V, +/- 10%, X7R, 1812", Cap_Case=1812, Manufacturer="Knowles Capacitors", Supplier Part Number 1=1608-1155-1-ND, TempCo=X7R, Tolerance_%=10%, Value1=Unknown, Value2=500V, ValueDisplayed=0.47uF, AEC Category=Q200, AEC Grade=N/A, AEC Qualified=N, Cap_F=470nF, ComponentLink1Description="Datasheet link", ComponentLink1URL=http://www.knowlescapacitors.com/File%20Library/Syfer/English/Product%20Navigation/Product%20Family%20Datasheet/StackiCapDatasheet.pdf, CompType=Capacitor, LatestRevisionDate=2017-03-09, MountType=SMT, PackageReference=1812, PartNumber=1812Y5000474KXTWS2, Polarized=N, Published=2008-06-19, Publisher="Texas Instruments", RoHS=Y, SizeArea_mm2=14.4, SizeAreaWB_mm2=23.1, SizeX_mm=4.5, SizeY_mm=3.2, SizeZ_mm=2.54, Supplier 1=Digi-Key, Supplier 2=Mouser, Supplier Part Number 2=843-1812Y5000474KXS2, TaMax_C=125°C, TaMin_C=-55°C, Technology=Ceramic, U/M=EA, VDC_V=500V
C56 C61 C70 C71 C74 C75 C76 C78: library part CMP-0121244-1, "Multilayer Ceramic Capacitors 33nF ±5% 100V C0G SMD 1210", Manufacturer=TDK, Operating Temperature Range="-55°C to +125°C", TempCo=30ppm/°C, Temperature Characteristic=C0G, Tolerance_%=0.05%, ValueDisplayed=33nF, AEC Qualified=No, Cap_F=33nF, ComponentLink1Description=Datasheet, ComponentLink1URL=https://product.tdk.com/en/search/capacitor/ceramic/mlcc/info?part_no=C3225C0G2A333J200AA, datasheet=https://product.tdk.com/en/search/capacitor/ceramic/mlcc/info?part_no=C3225C0G2A333J200AA, Datasheet Path=datasheets/Cap-C3225C0G2A333J200AA.pdf, helpURL=https://upverter.com/upn/revision/23a1a33572d5afb0/, Lead Free=Yes, PackageReference=1210, Part Number=C3225C0G2A333J200AA, PartNumber=C3225C0G2A333J200AA, RoHS=TRUE, SizeZ_mm=2.2mm, VDC_V=100V